# KiCad board Gotek.kicad_pcb
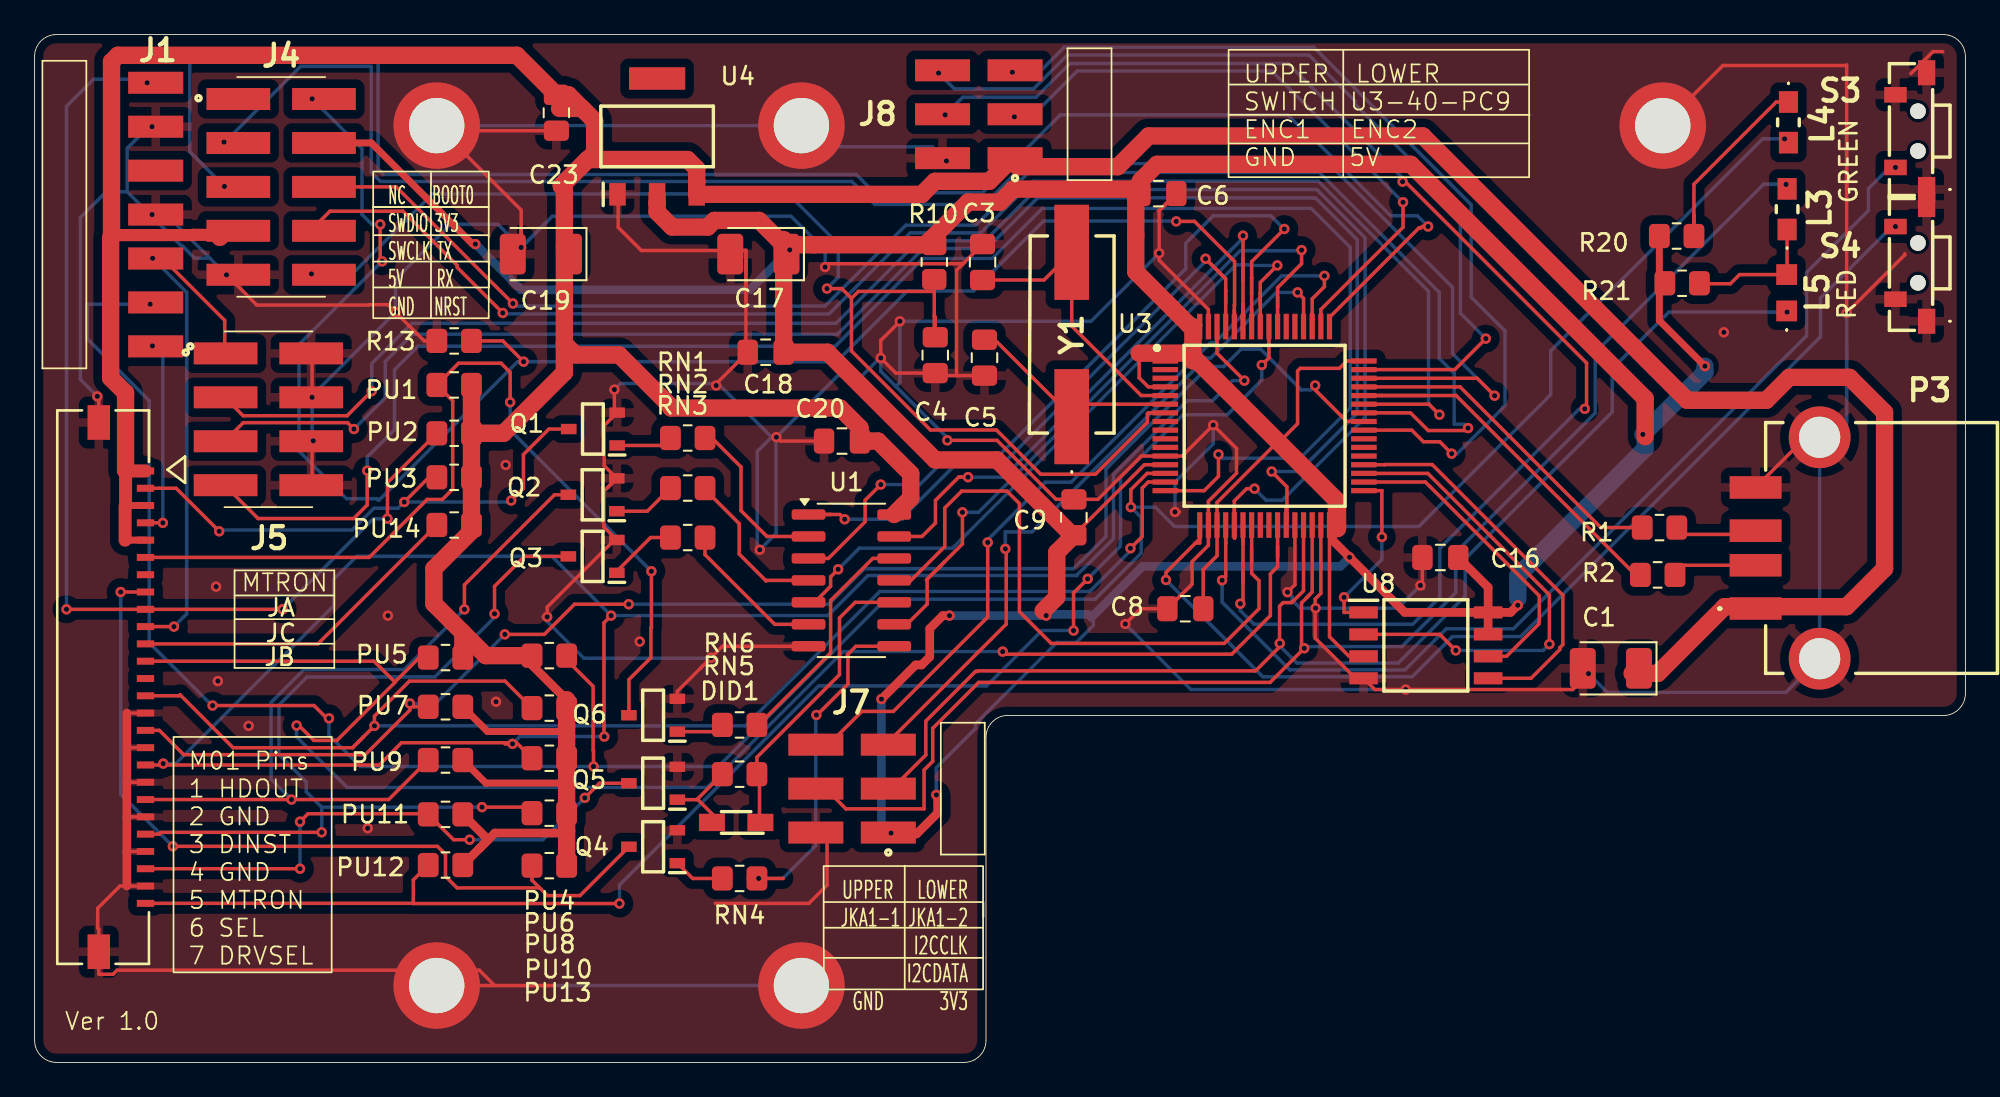
[diagram p0: board, top side]
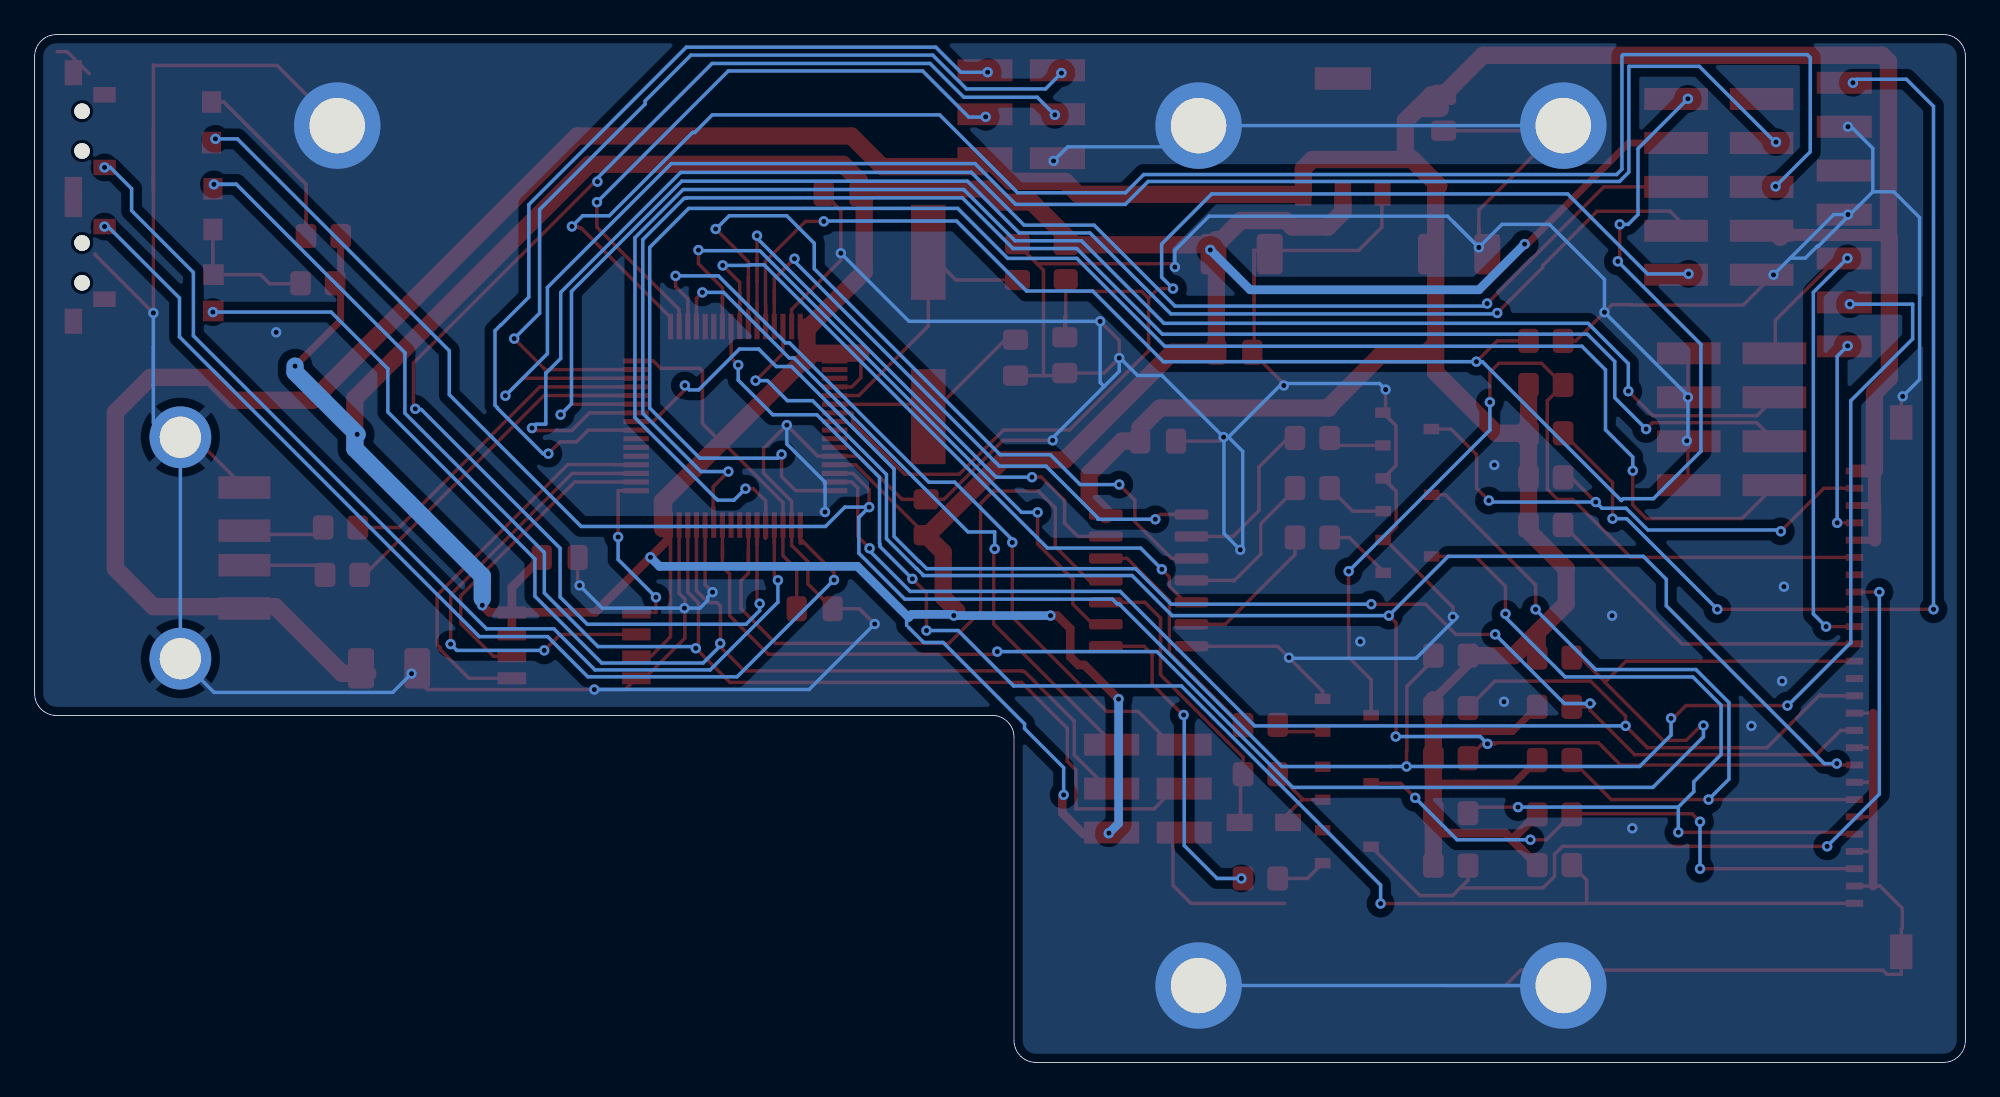
[diagram p1: board, bottom side, seen from below]

Outline 111.6 x 59.43 mm; copper layers: Top, Bottom. Coordinates in mm from the lower left corner of the outline.
Outline path: 56.26,20.07 arc(55.36,19.69) 54.99,18.8 54.99,1.27 arc(54.62,0.37) 53.72,0 1.27,0 arc(0.37,0.37) 0,1.27 0,58.17 arc(0.37,59.06) 1.27,59.43 110.33,59.43 arc(111.23,59.06) 111.6,58.16 111.6,21.33 arc(111.23,20.43) 110.33,20.06 56.26,20.06

## Placement (name value [footprint] x y rotation side)
C1  47uF  [CP_EIA-3528-21_Kemet-B_Pad1.50x2.35mm_HandSolder]  91.11 22.78 180 top
C3  22pF  [C_0805_2012Metric_Pad1.18x1.45mm_HandSolder]  54.79 46.28 270 top
C4  100nF  [C_0805_2012Metric_Pad1.18x1.45mm_HandSolder]  52.06 40.89 270 top
C5  22pF  [C_0805_2012Metric_Pad1.18x1.45mm_HandSolder]  54.9 40.75 270 top
C6  100nF  [C_0805_2012Metric_Pad1.18x1.45mm_HandSolder]  64.95 50.23 0 top
C8  100nF  [C_0805_2012Metric_Pad1.18x1.45mm_HandSolder]  66.51 26.23 180 top
C9  100nF  [C_0805_2012Metric_Pad1.18x1.45mm_HandSolder]  60.07 31.52 270 top
C16  100nF  [C_0805_2012Metric_Pad1.18x1.45mm_HandSolder]  81.25 29.19 0 top
C17  47uF  [CP_EIA-3528-21_Kemet-B_Pad1.50x2.35mm_HandSolder]  41.83 46.74 180 top
C18  100nF  [C_0805_2012Metric_Pad1.18x1.45mm_HandSolder]  42.26 41.06 0 top
C19  47uF  [CP_EIA-3528-21_Kemet-B_Pad1.50x2.35mm_HandSolder]  29.26 46.74 180 top
C20  100nF  [C_0805_2012Metric_Pad1.18x1.45mm_HandSolder]  46.67 35.93 0 top
C23  100nF  [C_0805_2012Metric_Pad1.18x1.45mm_HandSolder]  30.16 54.91 270 top
DID1  1N4148WS  [SODFL2512X90N]  40.55 13.87 180 top
H1  MountingHole_Pad  [MountingHole_M3_Pad]  23.24 54.17 0 top
H2  MountingHole_Pad  [MountingHole_M3_Pad]  44.32 54.17 0 top
H3  MountingHole_Pad  [MountingHole_M3_Pad]  23.24 4.45 0 top
H4  MountingHole_Pad  [MountingHole_M3_Pad]  44.32 4.45 0 top
H5  MountingHole_Pad  [MountingHole_M3_Pad]  94.11 54.17 0 top
J1  -  [TSM-107-01-L-SH]  7 49.02 90 top
J4  -  [TSM-105-04-S-DV]  14.25 50.62 90 top
J5  -  [TSM-104-04-S-DV]  13.51 37.19 90 top
J7  -  [TSM-103-01-L-DH-TR]  47.25 15.83 270 top
J8  -  [TSM-103-01-L-DH-TR]  54.58 54.82 270 top
L3  LED GREEN  [APT2012PGW]  101.3 49.33 90 top
L4  LED GREEN  [APT2012PGW]  101.37 54.36 270 top
L5  LED RED  [HSMCC177]  101.27 44.5 270 top
P1  2005280260  [MOLEX_CON_2005280260]  3.96 21.7 270 top
P3  USB_A  [USB1046GF0190LBA]  106.75 29.74 90 top
PU1  1K  [R_0805_2012Metric_Pad1.20x1.40mm_HandSolder]  24.25 39.17 0 top
PU2  1K  [R_0805_2012Metric_Pad1.20x1.40mm_HandSolder]  24.25 36.38 0 top
PU3  1K  [R_0805_2012Metric_Pad1.20x1.40mm_HandSolder]  24.25 33.83 0 top
PU4  1K  [R_0805_2012Metric_Pad1.20x1.40mm_HandSolder]  29.75 23.52 0 top
PU5  1K  [R_0805_2012Metric_Pad1.20x1.40mm_HandSolder]  23.75 23.41 0 top
PU6  1K  [R_0805_2012Metric_Pad1.20x1.40mm_HandSolder]  29.75 20.49 0 top
PU7  1K  [R_0805_2012Metric_Pad1.20x1.40mm_HandSolder]  23.75 20.56 0 top
PU8  1K  [R_0805_2012Metric_Pad1.20x1.40mm_HandSolder]  29.75 17.59 0 top
PU9  1K  [R_0805_2012Metric_Pad1.20x1.40mm_HandSolder]  23.75 17.48 0 top
PU10  1K  [R_0805_2012Metric_Pad1.20x1.40mm_HandSolder]  29.75 14.41 0 top
PU11  1K  [R_0805_2012Metric_Pad1.20x1.40mm_HandSolder]  23.75 14.34 0 top
PU12  1K  [R_0805_2012Metric_Pad1.20x1.40mm_HandSolder]  23.75 11.41 0 top
PU13  1K  [R_0805_2012Metric_Pad1.20x1.40mm_HandSolder]  29.75 11.38 0 top
PU14  1K  [R_0805_2012Metric_Pad1.20x1.40mm_HandSolder]  24.25 31.07 0 top
Q1  PMBT2222A,215  [SOT95P280X130-3N]  32.27 36.62 180 top
Q2  PMBT2222A,215  [SOT95P280X130-3N]  32.25 32.82 180 top
Q3  PMBT2222A,215  [SOT95P280X130-3N]  32.25 29.26 180 top
Q4  PMBT2222A,215  [SOT95P280X130-3N]  35.75 12.47 180 top
Q5  PMBT2222A,215  [SOT95P280X130-3N]  35.75 16.14 180 top
Q6  PMBT2222A,215  [SOT95P280X130-3N]  35.75 20.07 180 top
R1  22R  [R_0805_2012Metric_Pad1.20x1.40mm_HandSolder]  93.92 30.92 0 top
R2  22R  [R_0805_2012Metric_Pad1.20x1.40mm_HandSolder]  93.81 28.19 0 top
R10  4K7  [R_0805_2012Metric_Pad1.20x1.40mm_HandSolder]  52 46.28 270 top
R13  4K7  [R_0805_2012Metric_Pad1.20x1.40mm_HandSolder]  24.25 41.72 180 top
R20  1K  [R_0805_2012Metric_Pad1.20x1.40mm_HandSolder]  94.91 47.78 0 top
R21  12K  [R_0805_2012Metric_Pad1.20x1.40mm_HandSolder]  95.23 45.05 0 top
RN1  1K  [R_0805_2012Metric_Pad1.20x1.40mm_HandSolder]  37.75 36.1 0 top
RN2  1K  [R_0805_2012Metric_Pad1.20x1.40mm_HandSolder]  37.75 33.21 0 top
RN3  1K  [R_0805_2012Metric_Pad1.20x1.40mm_HandSolder]  37.75 30.35 0 top
RN4  1K  [R_0805_2012Metric_Pad1.20x1.40mm_HandSolder]  40.75 10.64 0 top
RN5  1K  [R_0805_2012Metric_Pad1.20x1.40mm_HandSolder]  40.75 16.67 0 top
RN6  1K  [R_0805_2012Metric_Pad1.20x1.40mm_HandSolder]  40.75 19.51 0 top
S3  1188E-1K2-V-T_R  [1188E1K2VTR]  108.46 53.85 90 top
S4  1188E-1K2-V-T_R  [1188E1K2VTR]  108.46 46.23 90 top
U1  74AHC04  [SO-14_3.9x8.65mm_P1.27mm]  47.21 27.87 0 top
U3  AT32F435RGT7  [QFP50P1200X1200X160-64N]  71.09 36.81 0 top
U4  AMS1117-3.3  [SOT229P700X180-4N]  35.98 53.54 90 top
U8  SST25VF016B-50-4C-S2AF  [SOIC127P790X216-8N]  80.41 24.11 0 top
Y1  8Mhz  [LFXTAL050985Bulk]  59.94 42.09 90 top

## Library data of the parts
C1 C17 C19 = -: Description: Polarized capacitor; ki_fp_filters: CP_*
C3-C6 C8 C9 C16 C18 C20 C23 = -: Description: Unpolarized capacitor; ki_fp_filters: C_*
DID1 = -: Datasheet: https://www.vishay.com/docs/85751/1n4148ws.pdf; Description: 75V 0.15A Fast switching Diode, SOD-323; Sim.Device: D; Sim.Pins: 1=K 2=A; ki_fp_filters: D*SOD?323*
H1-H5 = -: Description: Mounting Hole with connection; ki_fp_filters: MountingHole*Pad*
J1 = -: Datasheet: http://suddendocs.samtec.com/prints/tsm-1xx-xx-xxx-xx-x-xxx-x-mkt.pdf; Description: 7 Position, Dual-Row, .100&quot; Surface Mount Terminal Strip, Single-Row Vertical; Height: 3.61; Mouser Part Number: 200-TSM10701LSH; Mouser Price/Stock: https://www.mouser.co.uk/ProductDetail/Samtec/TSM-107-01-L-SH?qs=0lQeLiL1qyaQsP3zRGn%2FTA%3D%3D; Manufacturer_Name: SAMTEC
J4 = -: Datasheet: https://componentsearchengine.com/Datasheets/1/TSM-105-04-S-DV.pdf; Description: 10 Position, Dual-Row, .100&quot; Surface Mount Terminal Strip; Mouser Part Number: 200-TSM10504SDV; Mouser Price/Stock: https://www.mouser.com/Search/Refine.aspx?Keyword=200-TSM10504SDV; Manufacturer_Name: SAMTEC; MANUFACTURER: SAMTEC
J5 = -: Datasheet: http://suddendocs.samtec.com/prints/tsm-1xx-xx-xxx-xx-x-xxx-x-mkt.pdf; Description: 8 Position, Dual-Row, .100&quot; Surface Mount Terminal Strip; Height: 10.33; Mouser Part Number: 200-TSW10405LD; Manufacturer_Name: SAMTEC
J7 J8 = -: Datasheet: http://suddendocs.samtec.com/prints/tsm-1xx-xx-xxx-xx-xx-xxx-xx-mkt1.pdf; Description: 6 Position, .100&quot; Surface Mount Terminal Strip; Mouser Part Number: 200-TSM10301LDHTR; Mouser Price/Stock: https://www.mouser.co.uk/ProductDetail/Samtec/TSM-103-01-L-DH-TR?qs=rU5fayqh%252BE2GtDCYKjvfEA%3D%3D; Manufacturer_Name: SAMTEC
L3 L4 = -: Description: Green 555nm LED Indication - Discrete 2.25V 0805 (2012 Metric); Height: 0.85; Mouser Part Number: 604-APT2012PGW; Mouser Price/Stock: https://www.mouser.co.uk/ProductDetail/Kingbright/APT2012PGW?qs=SxaZfIVsCL2edu2fuRiRPw%3D%3D; Manufacturer_Name: Kingbright; Manufacturer_Part_Number: APT2012PGW
L5 = -: Datasheet: https://docs.broadcom.com/doc/AV02-0975EN; Description: Red 626nm LED Indication - Discrete 1.9V 0805 (2012 Metric); Height: 0.5; Mouser Part Number: 630-HSMC-C177; Mouser Price/Stock: https://www.mouser.co.uk/ProductDetail/Broadcom-Avago/HSMC-C177?qs=YDL0qNrpDT5vv1FeXNA44w%3D%3D; Manufacturer_Name: Avago Technologies; Manufacturer_Part_Number: HSMC-C177
P1 = -: ki_fp_filters: CON_2005280260_MOL
P3 = -: Datasheet: https://gct.co/files/drawings/usb1046.pdf?v=ccb5d20d-0631-4297-aa3c-9c34fccf9fbc; Description: USB Connectors USB A Skt, Top Mount, SMT, R/A, GF, Black, With 1.9mm shell stake, T&R; Height: 7.2; Mouser Part Number: 640-USB1046GF0190LBA; Mouser Price/Stock: https://www.mouser.co.uk/ProductDetail/GCT/USB1046-GF-0190-L-B-A?qs=KUoIvG%2F9IlbZOJtEsn1unA%3D%3D; Manufacturer_Name: GCT (GLOBAL CONNECTOR TECHNOLOGY); Manufacturer_Part_Number: USB1046-GF-0190-L-B-A
PU1-PU14 R1 R2 R10 R13 R20 R21 RN1-RN6 = -: Description: Resistor; ki_fp_filters: R_*
Q1-Q6 = -: Datasheet: https://assets.nexperia.com/documents/data-sheet/PMBT2222A.pdf; Description: PMBT2222; PMBT2222A - NPN switching transistors; Height: 1.1; Mouser Part Number: 771-PMBT2222A-T/R; Mouser Price/Stock: https://www.mouser.co.uk/ProductDetail/Nexperia/PMBT2222A215?qs=LOCUfHb8d9u7n2jbGrJFWg%3D%3D; Manufacturer_Name: Nexperia
S3 S4 = -: Datasheet: http://www.dip.com.tw/en/en-product-information/en-switch004/item/2445-1188?highlight=WzExODhd; Description: Tactile Switches Side Push Type 3.5*7, Contact Rating 50mA, 12VDC; Height: 3.5; Mouser Part Number: 113-1188E1K2VTR; Mouser Price/Stock: https://www.mouser.co.uk/ProductDetail/Diptronics/1188E-1K2-V-T-R?qs=MLItCLRbWswadUUxegNFmg%3D%3D; Manufacturer_Name: Diptronics; Manufacturer_Part_Number: 1188E-1K2-V-T/R
U1 = -: Datasheet: https://assets.nexperia.com/documents/data-sheet/74AHC_AHCT04.pdf; Description: Hex Inverter; ki_fp_filters: DIP*W7.62mm* SSOP?14* TSSOP?14*
U3 = -: Description: 32-Bit FLASH ARM Cortex-M4 200MHz 2.6V ~ 3.6V LQFP-64 ARTERY Mcu RoHS; Height: 1.6; Manufacturer_Name: Artery
U4 = -: Datasheet: http://www.advanced-monolithic.com/pdf/ds1117.pdf; Description: 1A LOW DROPOUT VOLTAGE REGULATOR, SOT-223; Height: 1.8; Manufacturer_Name: Advanced Monolithic Systems; Manufacturer_Part_Number: ams1117-3.3v
U8 = -: Datasheet: https://ww1.microchip.com/downloads/en/DeviceDoc/20005044C.pdf; Description: MICROCHIP - SST25VF016B-50-4C-S2AF - Flash Memory, Serial NOR, 16 Mbit, SPI, SOIC, 8 Pins; Height: 2.16; Mouser Part Number: 579-25VF016B504CS2AF; Mouser Price/Stock: https://www.mouser.co.uk/ProductDetail/Microchip-Technology-Atmel/SST25VF016B-50-4C-S2AF?qs=1RUxC5ic%2FMrPBUCcCO13YA%3D%3D; Manufacturer_Name: Microchip
Y1 = -: Datasheet: https://componentsearchengine.com/Datasheets/1/LFXTAL050985Bulk.pdf; Description: Crystals 8MHz 22pF -20C 70C; Height: 4.3; Mouser Part Number: 449-LFXTAL050985BULK; Mouser Price/Stock: https://www.mouser.com/Search/Refine.aspx?Keyword=449-LFXTAL050985BULK; Manufacturer_Name: IQD; Manufacturer_Part_Number: LFXTAL050985Bulk

## Footprints (pads in the part's own frame, mm; a bottom-side part is the same pattern mirrored in y, then rotated)
1188E1K2VTR
  round 0.9 hole 0.9 unplated: (-1.15,-0.4) (1.15,-0.4)
  rect 1.45x1 smd: 1(-3.375,-0.9) 2(3.375,-0.9)
  rect 0.9x1.3 smd: 3(-2.1,0.9) 4(2.1,0.9)
APT2012PGW
  rect 1.25x1.1 smd: 1(-1.175,0) 2(1.175,0)
C_0805_2012Metric_Pad1.18x1.45mm_HandSolder
  rrect 1.175x1.45 smd: 1(-1.038,0) 2(1.038,0)
CP_EIA-3528-21_Kemet-B_Pad1.50x2.35mm_HandSolder
  rrect 1.5x2.35 smd: 1(-1.625,0) 2(1.625,0)
HSMCC177
  rect 1.2x1.2 smd: 1(1.05,0) 2(-1.05,0)
LFXTAL050985Bulk
  rect 5.5x2 smd: 1(-4.75,0) 2(4.75,0)
MOLEX_CON_2005280260
  rect 0.4x1 smd: 1(-12.5,2.45) 2(-11.5,2.45) 3(-10.5,2.45) 4(-9.5,2.45) 5(-8.5,2.45) 6(-7.5,2.45) 7(-6.5,2.45) 8(-5.5,2.45) 9(-4.5,2.45) 10(-3.5,2.45) 11(-2.5,2.45) 12(-1.5,2.45) 13(-0.5,2.45) 14(0.5,2.45) 15(1.5,2.45) 16(2.5,2.45) 17(3.5,2.45) 18(4.5,2.45) 19(5.5,2.45) 20(6.5,2.45) 21(7.5,2.45) 22(8.5,2.45) 23(9.5,2.45) 24(10.5,2.45) 25(11.5,2.45) 26(12.5,2.45)
  rect 2x1.3 smd: P1(-15.3,-0.25) P2(15.3,-0.25)
MountingHole_M3_Pad
  round 5 hole 3.2: 1(0,0)
QFP50P1200X1200X160-64N
  rect 1.475x0.3 smd: 1(-5.738,3.75) 2(-5.738,3.25) 3(-5.738,2.75) 4(-5.738,2.25) 5(-5.738,1.75) 6(-5.738,1.25) 7(-5.738,0.75) 8(-5.738,0.25) 9(-5.738,-0.25) 10(-5.738,-0.75) 11(-5.738,-1.25) 12(-5.738,-1.75) 13(-5.738,-2.25) 14(-5.738,-2.75) 15(-5.738,-3.25) 16(-5.738,-3.75) 33(5.738,-3.75) 34(5.738,-3.25) 35(5.738,-2.75) 36(5.738,-2.25) 37(5.738,-1.75) 38(5.738,-1.25) 39(5.738,-0.75) 40(5.738,-0.25) 41(5.738,0.25) 42(5.738,0.75) 43(5.738,1.25) 44(5.738,1.75) 45(5.738,2.25) 46(5.738,2.75) 47(5.738,3.25) 48(5.738,3.75)
  rect 0.3x1.475 smd: 17(-3.75,-5.738) 18(-3.25,-5.738) 19(-2.75,-5.738) 20(-2.25,-5.738) 21(-1.75,-5.738) 22(-1.25,-5.738) 23(-0.75,-5.738) 24(-0.25,-5.738) 25(0.25,-5.738) 26(0.75,-5.738) 27(1.25,-5.738) 28(1.75,-5.738) 29(2.25,-5.738) 30(2.75,-5.738) 31(3.25,-5.738) 32(3.75,-5.738) 49(3.75,5.738) 50(3.25,5.738) 51(2.75,5.738) 52(2.25,5.738) 53(1.75,5.738) 54(1.25,5.738) 55(0.75,5.738) 56(0.25,5.738) 57(-0.25,5.738) 58(-0.75,5.738) 59(-1.25,5.738) 60(-1.75,5.738) 61(-2.25,5.738) 62(-2.75,5.738) 63(-3.25,5.738) 64(-3.75,5.738)
R_0805_2012Metric_Pad1.20x1.40mm_HandSolder
  rrect 1.2x1.4 smd: 1(-1,0) 2(1,0)
SO-14_3.9x8.65mm_P1.27mm
  rrect 1.95x0.6 smd: 1(-2.475,3.81) 2(-2.475,2.54) 3(-2.475,1.27) 4(-2.475,0) 5(-2.475,-1.27) 6(-2.475,-2.54) 7(-2.475,-3.81) 8(2.475,-3.81) 9(2.475,-2.54) 10(2.475,-1.27) 11(2.475,0) 12(2.475,1.27) 13(2.475,2.54) 14(2.475,3.81)
SODFL2512X90N
  rect 1.5x1 smd: 1(-1.4,0) 2(1.4,0)
SOIC127P790X216-8N
  rect 1.65x0.7 smd: 1(-3.6,1.905) 2(-3.6,0.635) 3(-3.6,-0.635) 4(-3.6,-1.905) 5(3.6,-1.905) 6(3.6,-0.635) 7(3.6,0.635) 8(3.6,1.905)
SOT95P280X130-3N
  rect 0.9x0.6 smd: 1(-1.4,0.95) 2(-1.4,-0.95) 3(1.4,0)
SOT229P700X180-4N
  rect 1.3x0.95 smd: 1(-3.35,2.29) 2(-3.35,0) 3(-3.35,-2.29)
  rect 1.3x3.25 smd: 4(3.35,0)
TSM-103-01-L-DH-TR
  rect 1.27x3.18 smd: 1(2.54,2.095) 2(2.54,-2.095) 3(0,2.095) 4(0,-2.095) 5(-2.54,2.095) 6(-2.54,-2.095)
TSM-104-04-S-DV
  rect 1.27x3.68 smd: 1(3.81,2.475) 2(3.81,-2.475) 3(1.27,2.475) 4(1.27,-2.475) 5(-1.27,2.475) 6(-1.27,-2.475) 7(-3.81,2.475) 8(-3.81,-2.475)
TSM-105-04-S-DV
  rect 1.27x3.68 smd: 1(5.08,2.475) 2(5.08,-2.475) 3(2.54,2.475) 4(2.54,-2.475) 5(0,2.475) 6(0,-2.475) 7(-2.54,2.475) 8(-2.54,-2.475) 9(-5.08,2.475) 10(-5.08,-2.475)
TSM-107-01-L-SH
  rect 1.27x3.18 smd: 1(-7.62,0) 2(-5.08,0) 3(-2.54,0) 4(0,0) 5(2.54,0) 6(5.08,0) 7(7.62,0)
USB1046GF0190LBA
  rect 1.3x3 smd: 1(-3.5,7.28) 2(-1,7.28) 3(1,7.28) 4(3.5,7.28)
  round 3.57 hole 2.38: MH1(-6.4,3.58) MH2(6.4,3.58)

## Nets
5V: C1.1 C19.1 C20.2 C23.1 J4.7 J8.1 P1.1 P1.3 P1.5 P3.1 PU1.2 PU2.2 PU3.2 PU4.1 PU5.2 PU6.2 PU7.2 PU8.2 PU9.2 PU10.2 PU11.2 PU12.2 PU13.2 PU14.2 U1.14 U4.3
+3.3V: C6.1 C8.1 C9.2 C16.2 C17.1 C18.2 J4.4 J7.1 R10.1 R20.1 R21.1 U3.1 U3.4 U3.13 U3.19 U3.32 U3.48 U3.64 U4.2 U8.3 U8.7 U8.8
GND: C1.2 C3.1 C4.2 C5.2 C6.2 C8.2 C9.1 C16.1 C17.2 C18.1 C19.2 C20.1 C23.2 H1.1 H2.1 H3.1 H4.1 H5.1 J1.4 J1.6 J4.9 J5.2 J5.4 J5.6 J5.8 J7.2 J8.2 P1.15 P1.17 P1.19 P1.21 P1.23 P1.25 P1.P1 P1.P2 P3.4 P3.MH1 P3.MH2 Q1.2 Q2.2 Q3.2 Q4.2 Q5.2 Q6.2 R13.2 S3.1 S3.2 S3.4 S4.1 S4.2 S4.3 U1.7 U3.12 U3.18 U3.28 U3.31 U3.63 U4.1 U8.4
BUT_L: S4.4 U3.17
BUT_R: S3.3 U3.20
CHNG: P1.6 PU1.1 Q6.3
CHNG_3V3: U1.13 U3.59
D+: P3.3 R1.2
D-: P3.2 R2.2
DINST: J1.5
DIR: P1.12 PU5.1 U3.26
DRVSEL: J1.1 P1.4
ENC1: J8.4 U3.22
ENC2: J8.3 U3.50
ENCSW: J8.6 U3.47
HDOUT: J1.7 P1.9 PU2.1
I2C2_CLK: J7.4 L3.2 U3.30
I2C2_DTA: J7.3 L5.1 U3.29
INDEX: P1.2 PU3.1 Q1.3
INDEX_3V3: U1.1 U3.61
J3_BOOT0: J4.2 R13.1 U3.60
JA: J5.3 U3.21
JB: J5.7 U3.16
JC: J5.5 U3.27
JKA1-1: J7.6 U3.51
JKA1-2: J7.5 U3.52
MTRON: J1.3 J5.1 P1.10
NRST: C4.1 J4.10 R10.2 U3.7
RDATA: P1.24 PU11.1 Q5.3
RDATA_3V3: U1.11 U3.23
READY: P1.8 PU13.1 Q4.3
READY_3V3: U1.9 U3.55
SEL: J1.2 L4.2 PU4.2 U3.14
SIDE1: P1.26 PU12.1 U3.56
SPI2_MISO: U3.35 U8.2
SPI2_MOSI: U3.36 U8.5
SPI2_SCK: U3.34 U8.6
SPI2_SS: U3.33 U8.1
STEP: P1.14 PU6.1 U3.15
SWCLK: J4.5 U3.49
SWDIO: J4.3 U3.46
TRK0: P1.20 PU9.1 Q2.3
TRK0_3V3: U1.3 U3.58
U3-40-PC9: J8.5 U3.40
USART1_RX: J4.8 U3.43
USART1_TX: J4.6 U3.42
WDATA: P1.16 PU7.1 U3.41
WGATE: P1.18 PU8.1 U3.62
WPROT: P1.22 PU10.1 Q3.3
WPROT_3V3: U1.5 U3.57
Net-(DID1-A): DID1.2 Q5.1 RN5.1
Net-(DID1-K): DID1.1 RN5.2 U1.10
Net-(L3-A): L3.1 L5.2 R21.2
Net-(L4-A): L4.1 R20.2
Net-(P1-Pad11): P1.11 PU14.1
Net-(Q1-B): Q1.1 RN1.1
Net-(Q2-B): Q2.1 RN2.1
Net-(Q3-B): Q3.1 RN3.1
Net-(Q4-B): Q4.1 RN4.1
Net-(Q6-B): Q6.1 RN6.1
Net-(RN1-Pad2): RN1.2 U1.2
Net-(RN2-Pad2): RN2.2 U1.4
Net-(RN3-Pad2): RN3.2 U1.6
Net-(RN4-Pad2): RN4.2 U1.8
Net-(RN6-Pad2): RN6.2 U1.12
Net-(U3-PA11): R2.1 U3.44
Net-(U3-PA12): R1.1 U3.45
Net-(U3-PH0): C3.2 U3.5 Y1.2
Net-(U3-PH1): C5.1 U3.6 Y1.1

Pads without a net: J4 1; P1 7 13; U3 2 3 8 9 10 11 24 25 37 38 39 53 54; U4 4

## Via types
v1: diameter 0.6, hole 0.3, Top to Bottom, 155 vias
